# Altium PCB ESIMA_EIS.PcbDoc (part 1 of 3) (continued)
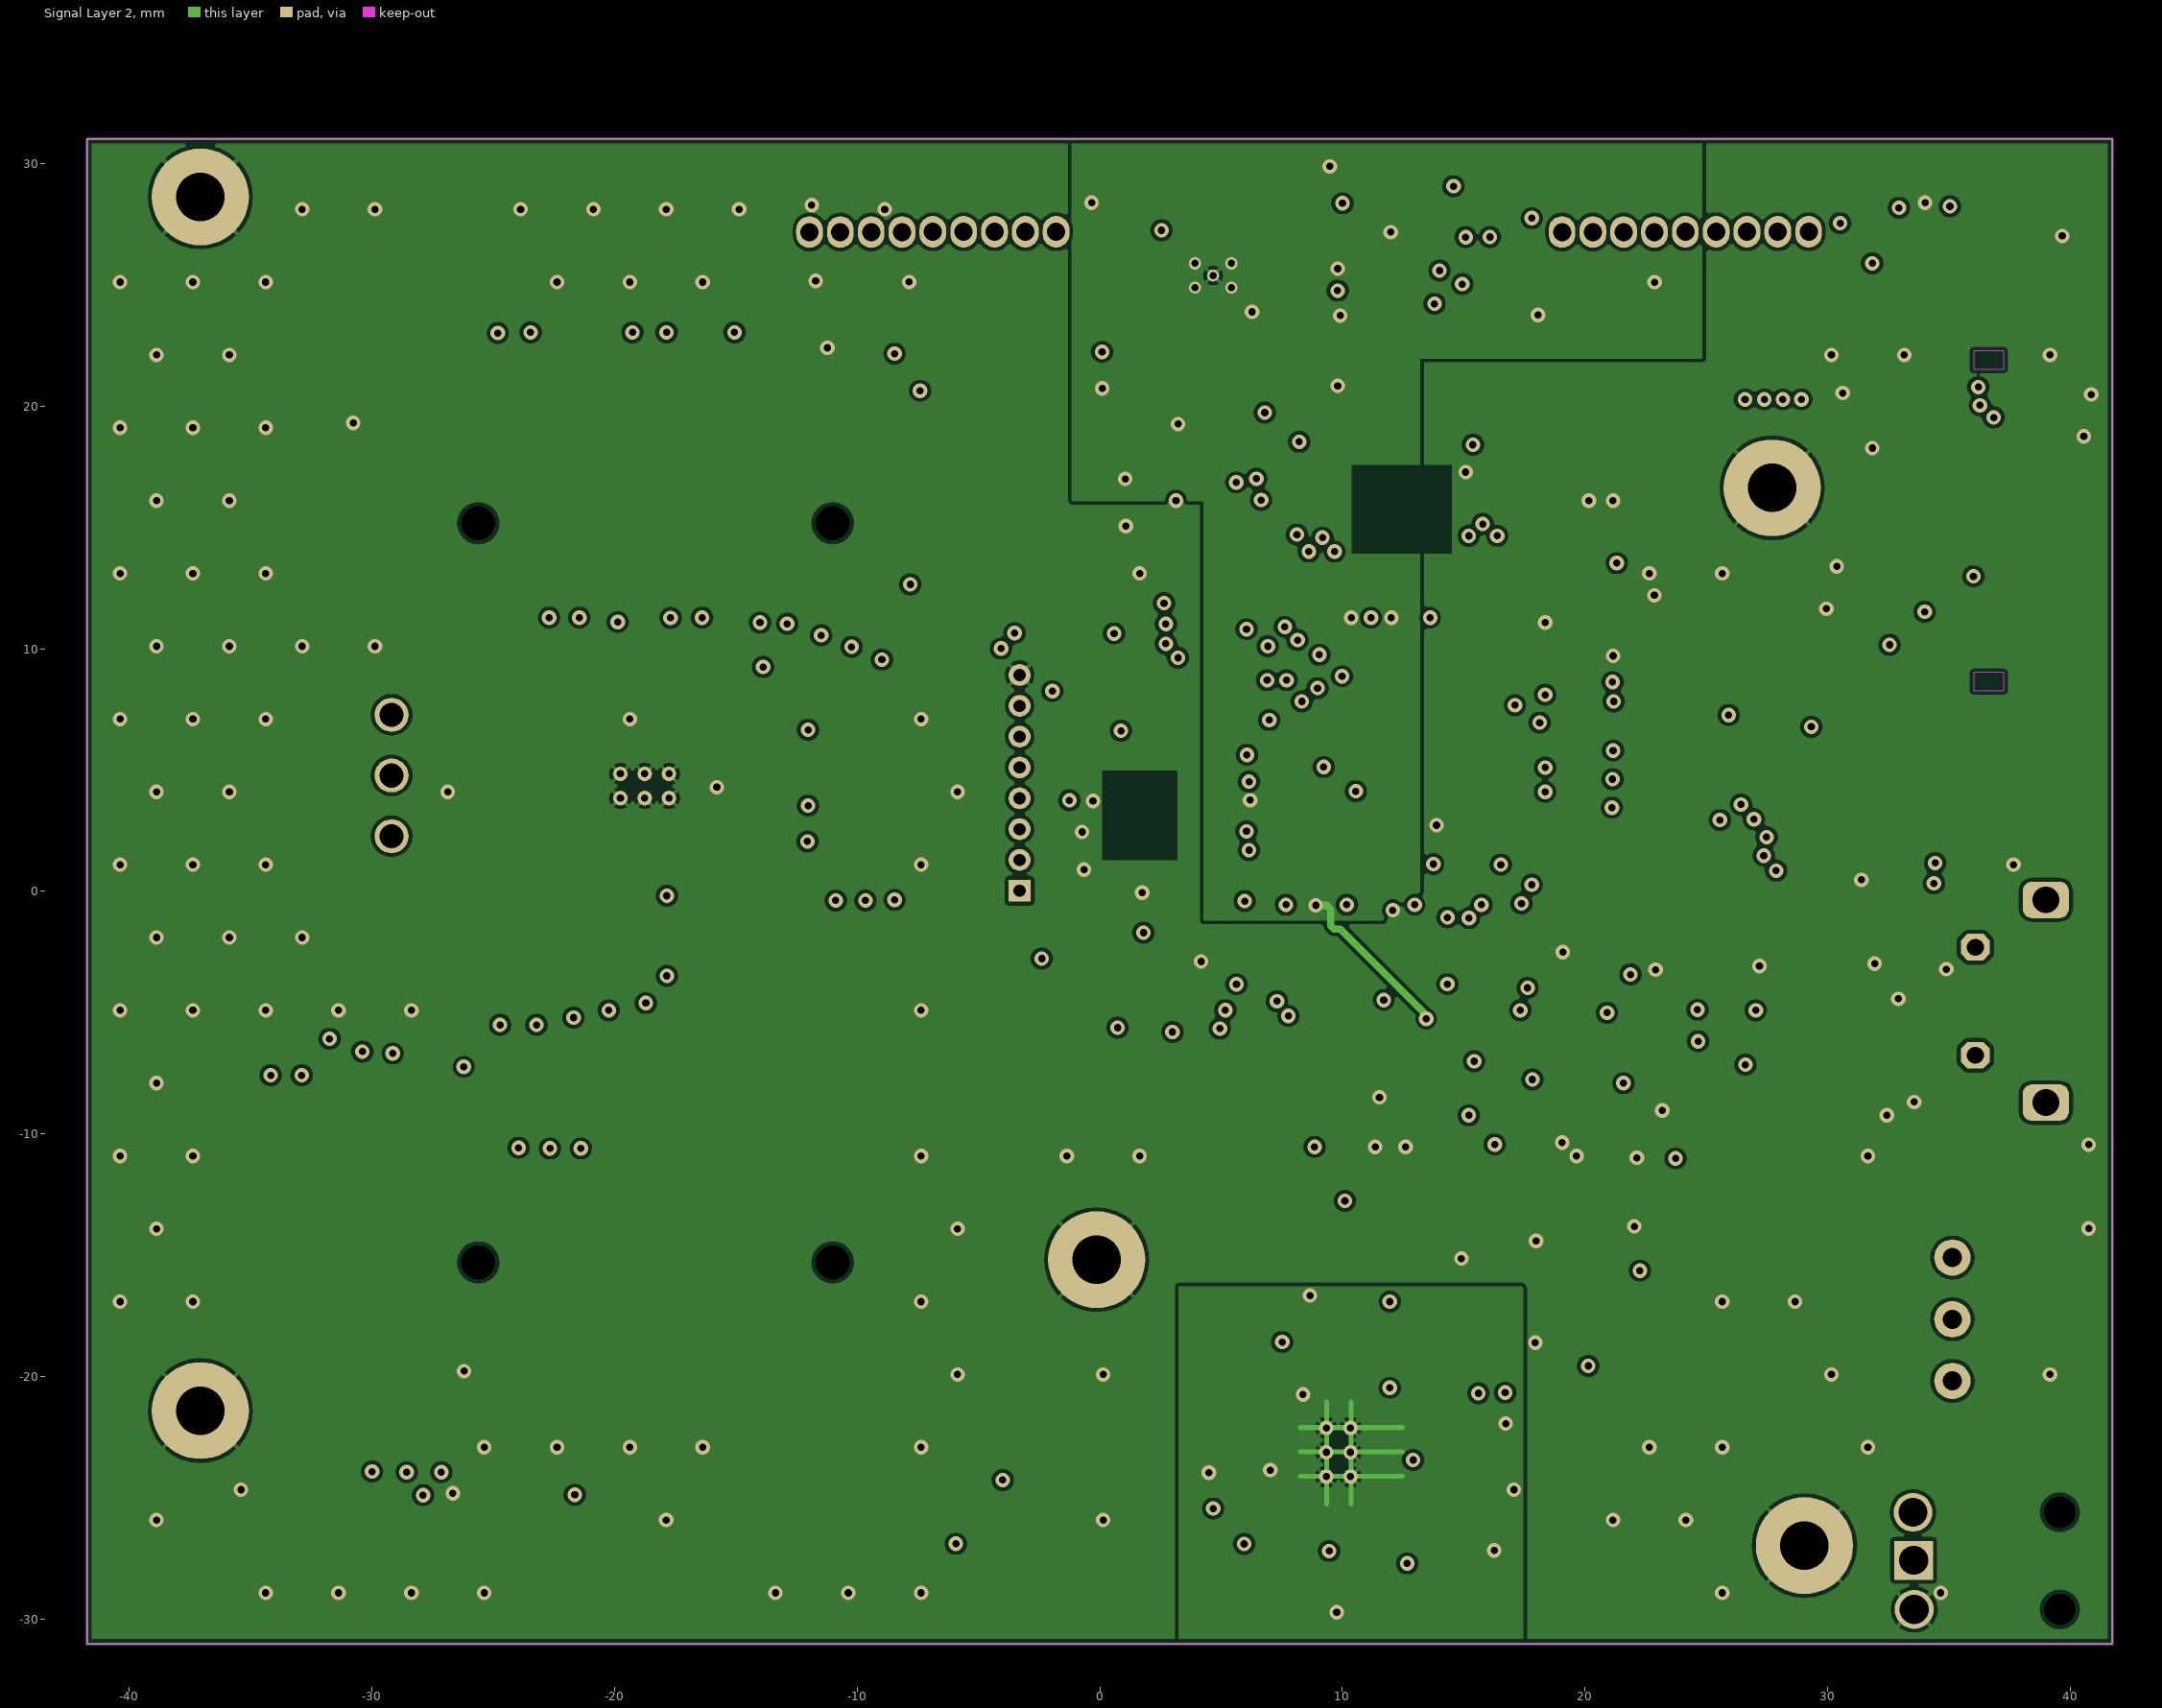
[diagram p3: Signal Layer 2]

## Layer stack, top to bottom
Top Solder: solder mask 0.0102, Solder Resist, Dk 3.5
Top Layer: signal copper 0.0356
Dielectric1: dielectric 0.02, Dk 4.2
Signal Layer 1: signal copper 0.036
Dielectric2: core 1.4, FR-4, Dk 4.8
Signal Layer 2: signal copper 0.036
Dielectric3: dielectric 0.02, Dk 4.2
Bottom Layer: signal copper 0.0356
Bottom Solder: solder mask 0.0102, Solder Resist, Dk 3.5

## Board outline
-41.725,-31 41.725,-31 41.725,31 -41.725,31

## Design rules (kind name [scope] priority, off if disabled: settings)
Clearance Via-Trace [(IsVia) vs (IsTrack)or(isVia)] p1: gap=0.15 ignorepadtopadclearanceinfootprint=FALSE except(0: Arc-Hole Track-Hole SMDPad-Hole THPad-Hole Via-Hole Fill-Hole Poly-Hole Region-Hole Text-Hole)
Clearance Via-Pad [(IsVia) vs (InPadClass('All Pads'))] p2: gap=0.15 ignorepadtopadclearanceinfootprint=FALSE except(0: Arc-Hole Track-Hole SMDPad-Hole THPad-Hole Via-Hole Fill-Hole Poly-Hole Region-Hole Text-Hole)
Clearance Pad-Trace [(InPadClass('All Pads')) vs IsTrack] p3: gap=0.15 ignorepadtopadclearanceinfootprint=FALSE except(0: Arc-Hole Track-Hole SMDPad-Hole THPad-Hole Via-Hole Fill-Hole Poly-Hole Region-Hole Text-Hole)
Clearance Trace-Trace [IsTrack vs IsTrack] p4: gap=0.15 ignorepadtopadclearanceinfootprint=FALSE except(0: Arc-Hole Track-Hole SMDPad-Hole THPad-Hole Via-Hole Fill-Hole Poly-Hole Region-Hole Text-Hole)
Clearance [All] p5: gap=0.15 ignorepadtopadclearanceinfootprint=FALSE except(0: Arc-Hole Track-Hole SMDPad-Hole THPad-Hole Via-Hole Fill-Hole Poly-Hole Region-Hole Text-Hole)
ComponentClearance [All] p1: gap=0.15 collisioncheckmode=3 verticalgap=0.4 showdistances=FALSE
DiffPairsRouting [All] p1: maxlimit=1 minlimit=0.15 mostfreqgap=0.2 toplayer_minwidth=0.15 toplayer_maxwidth=1 toplayer_prefwidth=0.2 midlayer1_minwidth=0.15 midlayer1_maxwidth=1 midlayer1_prefwidth=0.2 midlayer2_minwidth=0.15 midlayer2_maxwidth=1 midlayer2_prefwidth=0.2 bottomlayer_minwidth=0.15 bottomlayer_maxwidth=1 bottomlayer_prefwidth=0.2 maxuncoupledlength=12.7
FabricationTestPointUsage TestPointUsage [All] p1: valid=0 allowmultiple=FALSE
FabricationTestpoint Testpoint [(IsPad And (OnTopLayer Or OnBottomLayer))] p1: side=3 testpointundercomponent=TRUE minsize=0.8 maxsize=1.2 preferedsize=1 minholesize=0 maxholesize=0 preferedholesize=0 testpointgrid=0.1 allowsidetop=TRUE allowsidebottom=TRUE usegrid=TRUE gridtolerance=0
Height [All] p1: minheight=0 maxheight=14.5 prefheight=10
HoleSize [All] p1: absolutevalues=TRUE maxlimit=5.5 minlimit=0.2 maxpercent=80.000 minpercent=20.000
PlaneClearance [All] p1: clearance=0.15
PlaneConnect [All] p1: planeconnectstyle=Relief reliefexpansion=0.5 reliefentries=4 reliefconductorwidth=0.5 reliefairgap=0.2
PolygonConnect PolygonConnect_2 [All vs IsNamedPolygon('Cap_Charger')] p1: connectstyle=Relief reliefconductorwidth=-0.1 reliefentries=4 polygonreliefangle="90 Angle" airgapwidth=-0.1
PolygonConnect PolygonConnect_1 [All vs IsNamedPolygon('Cap_Charger')] p2: connectstyle=Relief reliefconductorwidth=0 reliefentries=4 polygonreliefangle="90 Angle" airgapwidth=0
PolygonConnect VIA [All vs ISVIA] p3: connectstyle=Direct reliefconductorwidth=0.254 reliefentries=4 polygonreliefangle="90 Angle" airgapwidth=0.254
PolygonConnect [All] p4: connectstyle=Relief reliefconductorwidth=0.15 reliefentries=4 polygonreliefangle="45 Angle" airgapwidth=0.15
RoutingCorners [All] p1: cornerstyle=45-Degree minsetback=0.5 maxsetback=1
RoutingVias [All] p1: holewidth=0.3 width=0.6 viastyle="Through Hole" minholewidth=0.3 minwidth=0.6 maxholewidth=0.4 maxwidth=1
SilkToSolderMaskClearance SilkscreenOverComponentPads [IsPad] p1: minsilkscreentomaskgap=0.254 clearancetoexposedcopper=TRUE
SolderMaskExpansion [All] p1: expansion=0
Width [All] p1: maxlimit=1.6 minlimit=0.15 preferedwidth=0.2
20 further rules are at their usual default settings.

## Classes and differential pairs
component class Akku: C300 C301 C302 C303 C304 C305 C306 C307 C308 IC300 J300 P300 R300 R301 R302 R303 R304 R305 R306 R307 R308 R309 R310 R311 R312 R313 R314 R315 Rs300 S300 S301 U302
component class Designator: C200 C201 C202 C203 C204 C205 C206 C207 C208 C209 C210 C211 C212 C213 IC200 L200 L201 R200 R201 R202 R203 R204 R205 R206 R207 R208 R209 T200 U200 U201
component class Interface: C500 C501 C502 C503 C504 C505 C506 C507 IC500 P500 P501 R500 R501 R502 R503 S500 U500 U501
component class Radio: R400 R401 R402 R403 R404 R405 R406 TP400 TP401 TP402 TP403 TP404 TP405 TP406 TP407 TP408 TP409 TP410 TP411 TP412 TP413 TP414 TP415 TP416 TP417 TP418 TP419 TP420 TP421 TP422 TP423 TP424 TP425 TP426 TP427
component class SensorInterface: ST600 ST601 ST602 ST603 ST604
net class OLED_D[7..0]: OLED_D0 OLED_D1 OLED_D2 OLED_D3 OLED_D4 OLED_D5 OLED_D6 OLED_D7
component class EIS_Main: LOGO1 X1 X2 X3 X4 X5

## Components (designator, comment, footprint, x,y, rotation, side; value= is the part's Value field where it differs from the comment)
C100 "10nF" CAPC1608N -0.125,5.525 r270 top
C101 "1nF" CAPC1608N 20.875,-13.025 r90 bottom
C102 "100nF" CAPC1608N 14.625,-13.025 r270 bottom
C103 "10uF" CAPC1608N 8.05,20.825 r0 top
C104 "100nF" CAPC1608N 4.975,19.275 r180 top
C105 "n.c." CAPC1608N 1.35,0.9 r0 bottom
C106 "100nF" CAPC1608N 13.05,26.375 r270 bottom
C107 "n.c." CAPC1608N 1.65,5.5 r180 bottom
C108 "n.c." CAPC1608N 11.225,17.725 r90 bottom
C109 "220nF" CAPC1608N 4.175,2.35 r0 top
C110 "470nF" CAPC1608N 21.9,11.4 r90 bottom
C111 "n.c." CAPC1608N 13.775,17.75 r270 bottom
C112 "4.7nF" CAPC1608N 4.17,3.85 r180 top
C113 "220nF" CAPC1608N 4.175,0.85 r0 top
C114 "220nF" CAPC1608N 11.125,1.925 r90 top
C115 "4.7uF" CAPC1608N 12.625,1.925 r90 top
C116 "100nF" CAPC1608N 11.7,-2.575 r90 top
C117 "100nF" CAPC1608N 20.15,14.325 r90 bottom
C118 "100nF" CAPC1608N 4.175,5.35 r180 top
C119 "10uF" CAPC1608N 13.225,-2.575 r90 top
C120 "10uF" CAPC1608N 8.725,-2.595 r270 top
C121 "100nF" CAPC1608N 7.225,-2.6 r90 top
C200 "100nF" CAPC1608N 1.445,28.35 r180 top
C201 "10nF" CAPC1608N 4.97,22.25 r0 top
C202 "10nF" CAPC1608N 4.545,28.35 r0 top
C203 "10uF" CAPC1608N 26.216,-3.215 r270 top
C204 "10uF" CAPC1608N 20.041,-3.29 r270 top
C205 "100nF" CAPC1608N 1.87,20.75 r0 top
C206 "100nF" CAPC1608N 7.645,29.85 r180 top
C207 "10nF" CAPC1608N 8.045,23.85 r180 top
C208 "220nF" CAPC1608N 19.816,-9.39 r0 top
C209 "4.7uF" CAPC1608N 22.925,-10.025 r0 top
C210 "2.2uF" CAPC1608N 19.816,-7.89 r0 top
C211 "47pF" CAPC1608N 38.175,28.775 r270 bottom
C212 "4.7uF" CAPC1608N 34.425,24.7 r90 bottom
C213 "1uF" CAPC1608N 32.95,24.7 r90 bottom
C300 "100nF" CAPC1608N -13.792,5.082 r180 bottom
C301 "100nF" CAPC1608N -13.792,8.103 r180 bottom
C302 "10uF / 16V" CAPC2012N 14.7,-21.875 r180 bottom
C303 "470nF" CAPC1608N 11.475,-18.65 r90 bottom
C304 "10uF / 16V" CAPC2012N 5.825,-23.2 r270 bottom
C305 "10uF / 16V" CAPC2012N 14.986,-23.876 r180 bottom
C306 "100nF" CAPC1608N -23.165,7.061 r0 bottom
C307 "100nF" CAPC1608N -23.165,0.864 r0 bottom
C308 "100nF" CAPC1608N -20.066,1.321 r180 bottom
C500 "100nF" CAPC1608N 32.164,13.393 r0 top
C501 "4.7uF" CAPC2012N 31.964,11.618 r0 top
C502 "4.7uF / 25V" C1210 32.004,18.263 r180 top
C503 "100nF" CAPC1608N 32.487,20.507 r180 top
C504 "10uF / 16V" CAPC2012N 38.887,20.523 r0 top
C505 "10pF" CAPC1608N 30.475,-9.25 r0 top
C506 "10pF" CAPC1608N 30.6,-0.475 r0 top
C507 "100nF" CAPC1608N 32.775,-7.725 r0 top
D100 "ge" LED-Gelb 39.886,-12.93 r180 bottom
D101 "gn" LED-gruen 39.886,-11.406 r180 bottom
IC200 "TPS76930" "TI-DBV5 (SOT23-5)" 22.966,-3.215 r180 top
IC300 "BQ27210" TI-DRK-PVSON -18.745,4.343 r90 bottom
IC400 "CC2530EM (Samtec Stecker)" CC2400EM_Board -9,-19.887 r90 top
IC500 "TVS 5" SOT23-6 32.758,-4.892 r180 top
J300 "PWR2.5" WE_694102304002 33.553,-27.581 r90 top
L200 "Inductor" RESC2012N 31.675,28.425 r90 bottom
L201 "15uH" INDC3225N 26.866,-7.49 r270 top
LOGO1 "Hahn-Schickard-Logo" Hahn-Schickard-LOGO_klein -27.589,25.336 r0 top
NT100 "Net Tie without Boom" NetTie 1.075,16.05 r90 top net-tie
P300 "Header 3X1" S3B-XH-A -29.172,4.775 r270 top
P500 "FTSH-109-04-F-MT" FTSH-109-01-X-MT-SPEZIAL 24.125,27.175 r0 top locked
P501 "FTSH-109-04-F-MT" FTSH-109-01-X-MT-SPEZIAL -6.875,27.175 r0 top locked
Q100 "19.2MHz" "Quarz 4 Pin 2.5mm*2mm" 1.625,3.125 r0 bottom
Q101 "32768Hz" ABS07 12.45,15 r180 bottom
R100 "47k" RESC1608N -1.625,5.525 r270 top
R101 "10k" RESC1608N 19.375,-13.025 r270 bottom
R102 "1.5k" RESC1608N 4.175,-2.15 r180 top
R103 "330" RESC1608N 36.553,-13.02 r180 bottom
R104 "1M" RESC1608N 4.175,-0.65 r0 top
R105 "330" RESC1608N 36.553,-11.521 r180 bottom
R106 "0" RESC1608N 10.2,-2.575 r90 top
R200 "10k" RESC1608N 4.97,20.75 r0 top
R201 "10k" RESC1608N 7.645,28.35 r180 top
R202 "n.c." RESC1608N 8.045,22.3 r0 top
R203 "100k" RESC1608N 8.045,26.85 r0 top
R204 "47" RESC1608N 1.87,22.25 r180 top
R205 "47" RESC1608N 4.545,29.85 r0 top
R206 "100k" RESC1608N 8.045,25.35 r180 top
R207 "1.69meg" RESC1608N 19.816,-6.365 r180 top
R208 "470k" RESC1608N 36.675,28.775 r270 bottom
R209 "120k" RESC1608N 39.65,28.775 r90 bottom
R300 "10k" RESC1608N -13.792,3.581 r0 bottom
R301 "10k" RESC1608N -13.792,2.057 r0 bottom
R302 "10k" RESC1608N -20.066,-0.178 r0 bottom
R303 "1k" RESC1608N -13.792,6.604 r0 bottom
R304 "33k" RESC1608N 7.7,-29.75 r180 bottom
R305 "100k" RESC1608N 14.5,-27.125 r180 bottom
R306 "100k" RESC1608N 14.5,-25.625 r180 bottom
R307 "1.5k" RESC1608N 10.575,-28.075 r90 bottom
R308 "n.b." RESC1608N 7.7,-26.75 r0 bottom
R309 "36k" RESC1608N 7.7,-28.25 r0 bottom
R310 "100k" RESC1608N 9.833,-18.65 r270 bottom
R311 "100k" RESC1608N 14.483,-18.65 r90 bottom
R312 "100k" RESC1608N 12.966,-18.65 r270 bottom
R313 "1k" RESC1608N -23.165,5.563 r0 bottom
R314 "1k" RESC1608N -23.165,2.362 r0 bottom
R315 "1k" RESC1608N -20.066,8.56 r0 bottom
R400 "0" RESC1608N -15.062,10.109 r270 top
R401 "0" RESC1608N -18.655,-9.668 r90 top
R402 "0" RESC1608N -20.155,-9.668 r90 top
R403 "0" RESC1608N -17.155,-9.668 r90 top
R404 "0" RESC1608N -12.655,-9.668 r90 top
R405 "0" RESC1608N -14.155,-9.668 r90 top
R406 "0" RESC1608N -15.655,-9.668 r90 top
R500 "910k" RESC1608N 38.684,18.771 r0 top
R501 "27" RESC1608N 29.725,-6.675 r270 top
R502 "27" RESC1608N 29.725,-3.1 r90 top
R503 "33k" RESC1608N 32.75,-2.025 r0 top
Rs300 "20m" RESC3216N -25.857,3.962 r90 bottom
S300 "EAO-09-10290-01" EAO09-10290-01 35.128,-17.628 r180 top
S301 "SMD-PAD" SMD_PAD -20.574,7.391 r180 bottom
S500 "MICRO USB AB" "MICRO USB AB REC" 38.975,-4.525 r180 top
ST600 "Molex 533981271" "Molex 533981271" -28.5,-27.225 r180 top
ST601 "Molex 533981271" "Molex 533981271" 12.575,-26.975 r180 top
ST602 "Molex 532610971" "Molex 532610971" -7.725,-26.975 r180 top
ST603 "Molex 533980571" "Molex 533980571" 12.575,-20 r180 top
ST604 "Molex 533980771" "Molex 533980771" 12.575,-13 r180 top
T200 "LTC3459ES6" "TSOT23 - 6" 34.35,28.3 r270 bottom
TP100 "Testpoint 1mm" "Testpoint 1mm" 8.2,5.075 r0 top
TP101 "Testpoint 1mm" "Testpoint 1mm" 9.575,3.65 r0 top
TP102 "Testpoint 1mm" "Testpoint 1mm" 18.3,-4.975 r180 top
TP103 "Testpoint 1mm" "Testpoint 1mm" 9.5,2.1 r180 top
TP104 "Testpoint 1mm" "Testpoint 1mm" 8.2,2.15 r180 top
TP105 "Testpoint 1mm" "Testpoint 1mm" 8.2,3.7 r180 top
TP400 "Testpoint 1mm" "Testpoint 1mm" -31.35,-22.95 r180 top
TP401 "Testpoint 1mm" "Testpoint 1mm" -26.321,22.078 r180 top
TP402 "Testpoint 1mm" "Testpoint 1mm" -23.244,-20.517 r180 top
TP403 "Testpoint 1mm" "Testpoint 1mm" -29.95,-22.95 r270 top
TP404 "Testpoint 1mm" "Testpoint 1mm" -23.914,20.437 r180 top
TP405 "Testpoint 1mm" "Testpoint 1mm" -24.845,22.05 r180 top
TP406 "Testpoint 1mm" "Testpoint 1mm" -21.844,-20.517 r180 top
TP407 "Testpoint 1mm" "Testpoint 1mm" -28.55,-22.95 r270 top
TP408 "Testpoint 1mm" "Testpoint 1mm" -22.514,20.437 r180 top
TP409 "Testpoint 1mm" "Testpoint 1mm" -23.445,22.05 r180 top
TP410 "Testpoint 1mm" "Testpoint 1mm" -20.419,-20.517 r270 top
TP411 "Testpoint 1mm" "Testpoint 1mm" -27.125,-22.95 r270 top
TP412 "Testpoint 1mm" "Testpoint 1mm" -21.114,20.437 r180 top
TP413 "Testpoint 1mm" "Testpoint 1mm" -19.044,-20.517 r180 top
TP414 "Testpoint 1mm" "Testpoint 1mm" -19.714,20.437 r180 top
TP415 "Testpoint 1mm" "Testpoint 1mm" -17.644,-20.517 r180 top
TP416 "Testpoint 1mm" "Testpoint 1mm" -19.245,22.05 r180 top
TP417 "Testpoint 1mm" "Testpoint 1mm" -18.314,20.437 r180 top
TP418 "Testpoint 1mm" "Testpoint 1mm" -16.244,-20.517 r180 top
TP419 "Testpoint 1mm" "Testpoint 1mm" -17.845,22.05 r180 top
TP420 "Testpoint 1mm" "Testpoint 1mm" -16.914,20.437 r180 top
TP421 "Testpoint 1mm" "Testpoint 1mm" -14.844,-20.517 r180 top
TP422 "Testpoint 1mm" "Testpoint 1mm" -15.514,20.437 r180 top
TP423 "Testpoint 1mm" "Testpoint 1mm" -14.114,20.437 r180 top
TP424 "Testpoint 1mm" "Testpoint 1mm" -13.444,-20.517 r180 top
TP425 "Testpoint 1mm" "Testpoint 1mm" -15.045,22.05 r180 top
TP426 "Testpoint 1mm" "Testpoint 1mm" -13.645,22.05 r180 top
TP427 "Testpoint 1mm" "Testpoint 1mm" -12.714,20.437 r180 top
U100 "MSP430F6658IPZR" TI-PZ100_N 12.175,5.1 r270 bottom locked
U101 "SN74AHC1G86DCKR" 419A-01_N 17,-13.05 r180 bottom
U102 "DAC 124S085CIMM" MSOP-DGS 15.575,26.025 r270 bottom
U200 "OPA2333AIDRBT" "TI DRB (S-PVON-N8)" 4.67,25.375 r0 top
U201 "LT3494" DFN-DDB-8 23.225,-7.475 r90 top
U302 "BQ24070" R-PVQFN50P450X350X100-20N 9.833,-23.108 r270 bottom
U500 "Con MCOT128064BY-BM" Molex-52435-2471 35.001,15.265 r270 bottom
X1 "Hole" Hole_2mm#1 29.032,-26.949 r0 top
X2 "Hole" Hole_2mm#1 27.7,16.625 r0 top
X3 "Hole" Hole_2mm#1 -0.125,-15.175 r0 top
X4 "Hole" Hole_2mm#1 -37.05,28.609 r0 top
X5 "Hole" Hole_2mm#2 -38.506,-21.793 r0 top
X100 "8*1.27" "JMP 8x1.27" -3.3,0.025 r90 bottom

## Footprints (in the part's own frame and the unit in brackets; to place one, negate y for a bottom-side part, rotate by r counter-clockwise, add the part's x,y. Pads: shape width x height; smd on the part's side, far side on the other; paste and mask are expansions set on the pad)
419A-01_N [mm] "SOT353, 5-Leads, Body 2x1.3mm, Pitch 0.65mm, Lead Span 2.1mm, IPC Medium Density"
  rect 0.7x0.4 smd: 1(-1.025,0.65) 2(-1.025,0) 3(-1.025,-0.65) 4(1.025,-0.65) 5(1.025,0.65)
  silkscreen extent -1.15,-1.1 0.3,1.52, body extent -0.7,-1.1 0.7,1.1, height 1.1
ABS07 [mm] "SMD LOW PROFILE CRYSTAL"
  rect 1.1x1.9 smd: 1(-1.25,0) 2(1.25,0)
  silkscreen extent -0.4,-0.75 0.4,0.75, body extent -1.63,-0.75 1.63,0.75, height 1
C1210 [mm] "Chip Capacitor, Body 3.2x2.5mm, IPC High Density"
  rect 1.1x2.6 smd: 1(-1.35,0) 2(1.35,0)
  silkscreen extent -0.4,-1.2 0.4,1.2, body extent -1.7,-1.35 1.7,1.35, height 1.3
CAPC1608N [mm] "Chip Capacitor, Body 1.6x0.8mm, IPC Medium Density"
  rect 1x1 smd: 1(-0.8,0) 2(0.8,0)
  body extent -0.87,-0.48 0.87,0.48, height 0.85
CAPC2012N [mm] "Chip Capacitor, Body 2.0x1.3mm, IPC Medium Density"
  rect 1.3x1.5 smd: 1(-0.85,0) 2(0.85,0)
  body extent -1.1,-0.72 1.1,0.72, height 1.1
CC2400EM_Board [mm] "CC2400EM Eva Board"
  rect 2.8x0.75 smd paste+0 mask+0: P1_1(2.542,14.986) P1_2(6.602,14.986) P1_3(2.542,13.716) P1_4(6.602,13.716) P1_5(2.542,12.446) P1_6(6.602,12.446) P1_7(2.542,11.176) P1_8(6.602,11.176) P1_9(2.542,9.906) P1_10(6.602,9.906) P1_11(2.542,8.636) P1_12(6.602,8.636) P1_13(2.542,7.366) P1_14(6.602,7.366) P1_15(2.542,6.096) P1_16(6.602,6.096) P1_17(2.542,4.826) P1_18(6.602,4.826) P1_19(2.542,3.556) P1_20(6.602,3.556) P2_1(33.022,14.986) P2_2(37.082,14.986) P2_3(33.022,13.716) P2_4(37.082,13.716) P2_5(33.022,12.446) P2_6(37.082,12.446) P2_7(33.022,11.176) P2_8(37.082,11.176) P2_9(33.022,9.906) P2_10(37.082,9.906) P2_11(33.022,8.636) P2_12(37.082,8.636) P2_13(33.022,7.366) P2_14(37.082,7.366) P2_15(33.022,6.096) P2_16(37.082,6.096) P2_17(33.022,4.826) P2_18(37.082,4.826) P2_19(33.022,3.556) P2_20(37.082,3.556)
  round 0.5 hole 1.4 unplated paste-0.03: ""(4.6,16.6) ""(4.6,2) ""(35.052,2) ""(35.052,16.6)
  silkscreen extent 0,0 39.37,30.25, body extent 0,0 39.37,30.25, height 7.24
DFN-DDB-8 [mm] "DDB Package  8-Lead Plastic DFN (3mm × 2mm)"
  rect 0.25x0.7 smd mask+0: 1(-0.75,-0.825) 2(-0.25,-0.825) 3(0.25,-0.825) 4(0.75,-0.825) 5(0.75,0.825) 6(0.25,0.825) 7(-0.25,0.825) 8(-0.75,0.825)
  oct 2.2x0.61 smd mask+0: 9(0,0)
  rect 1x0.61 smd mask+0: 9(0.6,0)
  silkscreen extent -1.32,-0.72 -1.13,-0.53, body extent -1.5,-1 1.5,1, height 0.8
EAO09-10290-01 [mm] "Schalter EAO09-10290-01; Rechtwinklig; 3polig; 2,54 mm Raster"
  round 1.5 hole 0.8: 1(0,0) 2(0,-2.54) 3(0,2.54)
  body extent -8.6,-5.03 0.3,4.98, height 2.55
FTSH-109-01-X-MT-SPEZIAL [mm] "1.27mm pitch, terminal strip; r/a, w/3.05mm length post, SMT, PTH für CLP-Bottom-Entry (BE-Option)"
  rect 0.75x1.8 smd mask+0: 1(5.08,-3.432) 5(2.54,-3.432) 7(1.27,-3.432) 9(0,-3.432) 11(-1.27,-3.432) 13(-2.54,-3.432) 15(-3.81,-3.432) 17(-5.08,-3.432)
  oval 1.1x1.3 hole 0.75 mask+0: 2(5.08,0) 4(3.81,0) 6(2.54,0) 8(1.27,0) 10(0,0) 12(-1.27,-0.012) 14(-2.54,-0.012) 16(-3.81,-0.012) 18(-5.08,-0.012)
  rect 0.75x1.8 smd paste+0 mask+0: 3(3.81,-3.432)
  silkscreen extent -5.74,-2.55 6.09,6.84, body extent -5.69,-4.13 5.74,7.53, height 3.46
Hahn-Schickard-LOGO_klein [mm]
  Top Layer region: 0.656,1.378 0.817,1.273 1.009,1.18 1.209,1.104 1.151,1.339 1.15,1.34 1.15,1.34 1.15,1.34 1.135,1.562 1.135,1.563 1.135,1.563 1.135,1.563 1.154,1.759 1.154,1.759 1.154,1.76 1.154,1.76 1.154,1.76 1.194,1.93 1.194,1.93 1.194,1.93 1.194,1.93 1.194,1.93 1.195,1.93 1.195,1.93 1.195,1.93 1.247,2.08 1.247,2.08 1.247,2.08 1.247,2.08 1.247,2.081 1.247,2.081 1.247,2.081 1.247,2.081 1.295,2.202 1.325,2.294 1.329,2.32 1.328,2.342 1.321,2.359 1.308,2.373 1.288,2.383 1.259,2.389 1.227,2.39 1.202,2.388 1.202,2.388 1.203,2.388 1.203,2.388 1.202,2.388 0.884,2.272 0.627,2.051 0.467,1.752 0.467,1.752 0.463,1.651 0.496,1.555 0.562,1.464
  Top Layer region: 1.154,1.032 1.33,0.977 1.33,0.977 1.33,0.977 1.33,0.977 1.522,0.919 1.522,0.919 1.522,0.919 1.522,0.919 1.522,0.919 1.522,0.919 1.522,0.919 1.522,0.919 1.522,0.919 1.522,0.919 1.683,0.869 1.683,0.869 1.683,0.869 1.683,0.869 1.683,0.869 1.683,0.869 1.683,0.868 1.683,0.868 1.812,0.823 1.812,0.822 1.812,0.822 1.812,0.822 1.887,0.79 1.887,0.79 1.887,0.789 1.887,0.789 1.942,0.758 1.943,0.757 1.943,0.757 1.943,0.757 1.968,0.736 1.969,0.735 1.97,0.734 1.97,0.734 1.969,0.734 1.97,0.734 1.97,0.734 1.97,0.734 1.986,0.713 1.986,0.713 1.986,0.713 1.986,0.713 1.986,0.713 1.986,0.712 1.987,0.711 1.987,0.711 1.993,0.688 1.994,0.687 1.994,0.686 1.994,0.686 1.994,0.686 1.994,0.686 1.994,0.686 1.992,0.665 1.992,0.665 1.992,0.666 1.992,0.666 1.992,0.665 1.991,0.664 1.991,0.663 1.991,0.663 1.981,0.642 1.981,0.641 1.98,0.64 1.98,0.64 1.957,0.611 1.957,0.611 1.956,0.61 1.956,0.61 1.956,0.611 1.956,0.61 1.956,0.61 1.956,0.61 1.92,0.58 1.92,0.58 1.92,0.579 1.919,0.579 1.919,0.579 1.919,0.579 1.92,0.579 1.92,0.58 1.92,0.58 1.92,0.58 1.92,0.58 1.92,0.58 1.92,0.58 1.92,0.58 1.919,0.579 1.919,0.579 1.919,0.579 1.919,0.579 1.773,0.491 1.773,0.491 1.772,0.491 1.773,0.491 1.773,0.491 1.773,0.491 1.773,0.491 1.772,0.491 1.771,0.49 1.771,0.49 1.558,0.424 1.558,0.424 1.557,0.424 1.558,0.424 1.558,0.424 1.558,0.424 1.557,0.424 1.557,0.424 1.557,0.424 1.557,0.424 1.049,0.466 0.628,0.755 0.407,1.214 0.407,1.214 0.407,1.214 0.406,1.214 0.406,1.214 0.406,1.214 0.406,1.215 0.406,1.215 0.39,1.365 0.39,1.366 0.39,1.367 0.39,1.367 0.39,1.367 0.402,1.556 0.402,1.556 0.403,1.56 0.406,1.562 0.409,1.563 0.412,1.562 0.415,1.559 0.415,1.559 0.415,1.559 0.415,1.559 0.455,1.474 0.54,1.369 0.767,1.197 1.026,1.079 1.026,1.079 1.026,1.079 1.026,1.079 1.026,1.079 1.027,1.079 1.027,1.079 1.027,1.079